# Altium PCB board.PcbDoc (part 1 of 2)
Units mil, origin at the board's own origin, x right, y up, seen from the top; angles counter-clockwise.
Board outline 1425.03 x 7725.03 mil, 2 copper layers (Top Layer, Bottom Layer), stack 65.354 mil thick; 141 components, 67 nets, 462 pads, 171 vias.
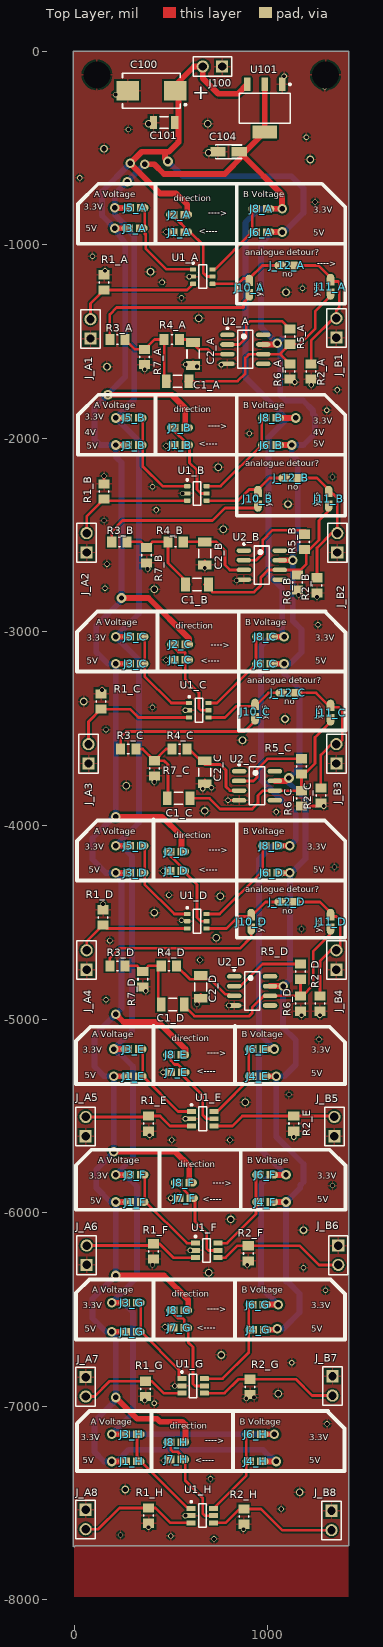
[diagram p0: Top Layer view]
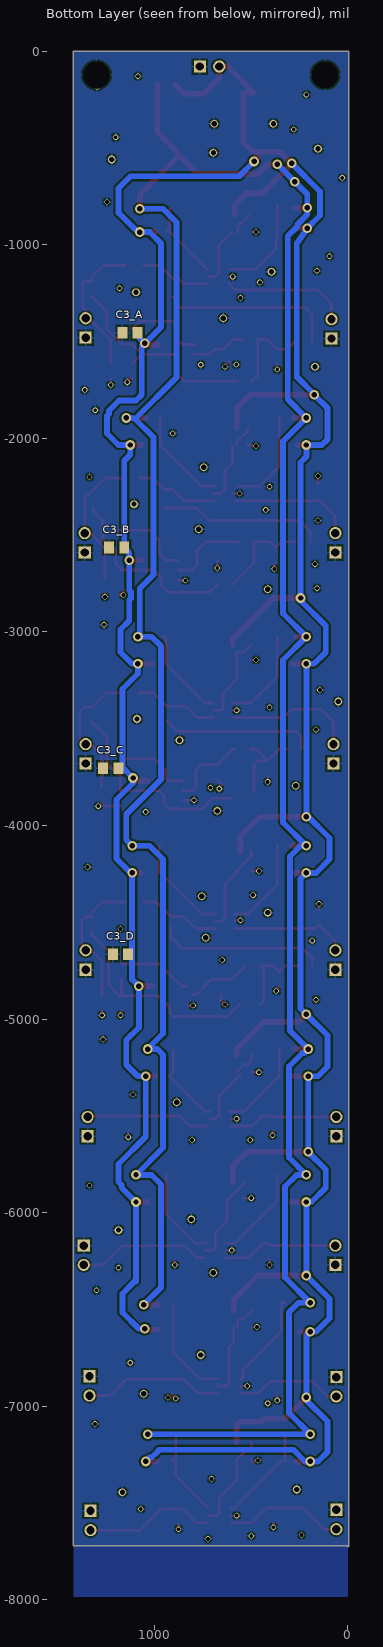
[diagram p1: Bottom Layer view, seen from below]

## Layer stack, top to bottom
Top Solder: solder mask 0.4, Solder Resist, Dk 3.5
Top Layer: signal copper 2.1654
Dielectric1: dielectric 61.0236, FR-4, Dk 4.8
Bottom Layer: signal copper 2.1654
Bottom Solder: solder mask 0.4, Solder Resist, Dk 3.5

## Board outline
-5.01,-7720.02 -5.01,-5.02 cw(c0,-5.02) 0,0 1415,0 cw(c1415,-5.02) 1420.02,-5.02 1420.02,-7715.02 cw(c1415,-7715.02) 1415,-7720.03 5.01,-7720.03 cw(c0,-7720.02)

## Design rules (kind name [scope] priority, off if disabled: settings)
Clearance clearance_polygons [InNamedPolygon('top_gnd_power')or InNamedPolygon('bottom_gnd_power') vs InNamedPolygon('top_gnd_uc')or InNamedPolygon('bottom_gnd_uc')] p1: gap=59.06 ignorepadtopadclearanceinfootprint=FALSE except(0: Arc-Hole Track-Hole SMDPad-Hole THPad-Hole Via-Hole Fill-Hole Poly-Hole Region-Hole Text-Hole)
Clearance ClearanceRoom [WithinRoom('less')  or WithinRoom('less1') or WithinRoom('less2') or WithinRoom('less3') or WithinRoom('less4')] p2: gap=8 ignorepadtopadclearanceinfootprint=FALSE except(0: Arc-Hole Track-Hole SMDPad-Hole THPad-Hole Via-Hole Fill-Hole Poly-Hole Region-Hole Text-Hole)
Clearance clearance_HP_class [InNetClass('high_power_net')] p3: gap=15 ignorepadtopadclearanceinfootprint=FALSE except(0: Arc-Hole Track-Hole SMDPad-Hole THPad-Hole Via-Hole Fill-Hole Poly-Hole Region-Hole Text-Hole)
Clearance "clearance_24V class" [InNetClass('24V_net')] p4: gap=10 ignorepadtopadclearanceinfootprint=FALSE except(0: Arc-Hole Track-Hole SMDPad-Hole THPad-Hole Via-Hole Fill-Hole Poly-Hole Region-Hole Text-Hole)
Clearance Clearance_1 [All] p5: gap=8 ignorepadtopadclearanceinfootprint=FALSE except(0: Arc-Hole Track-Hole SMDPad-Hole THPad-Hole Via-Hole Fill-Hole Poly-Hole Region-Hole Text-Hole)
FabricationTestPointUsage TestPointUsage [All] p1: valid=0 allowmultiple=FALSE
FabricationTestpoint Testpoint [All] p1: side=3 testpointundercomponent=TRUE minsize=40 maxsize=100 preferedsize=60 minholesize=0 maxholesize=40 preferedholesize=32 testpointgrid=1 allowsidetop=TRUE allowsidebottom=TRUE usegrid=TRUE gridtolerance=0.01
HoleSize [All] p1: absolutevalues=TRUE maxlimit=236.22 minlimit=1 maxpercent=80.000 minpercent=20.000
PolygonConnect PolygonConnect_Power [(InNet('+5V') OR InNet('-24VBUS'))] p1: connectstyle=Relief reliefconductorwidth=100 reliefentries=4 polygonreliefangle="90 Angle" airgapwidth=10
PolygonConnect [All] p2: connectstyle=Relief reliefconductorwidth=10 reliefentries=4 polygonreliefangle="90 Angle" airgapwidth=10
RoutingVias [All] p1: holewidth=28 width=50 viastyle="Through Hole" minholewidth=28 minwidth=50 maxholewidth=28 maxwidth=50
SilkToSolderMaskClearance SilkscreenOverComponentPads [IsPad] p1: minsilkscreentomaskgap=10 clearancetoexposedcopper=TRUE
SolderMaskExpansion [All] p1: expansion=4
Width WidthRoom [WithinRoom('less')  or WithinRoom('less1') or WithinRoom('less2') or WithinRoom('less3') or WithinRoom('less4')] p1: maxlimit=14 minlimit=14 preferedwidth=14
Width Width_HC_class [InNetClass('High_Current_net')] p2: maxlimit=600 minlimit=60 preferedwidth=60
Width Width_HP_class [InNetClass('High_Power_net')] p3: maxlimit=40 minlimit=40 preferedwidth=40
Width "Width_24V class" [InNetClass('24V_net')] p4: maxlimit=30 minlimit=30 preferedwidth=30
Width Width_1 [All] p5: maxlimit=14 minlimit=14 preferedwidth=14
26 further rules are at their usual default settings.

## Classes and differential pairs
component class H: J1_H J3_H J4_H J6_H J7_H J8_H R1_H R2_H U1_H
component class D: C1_D C2_D C3_D J1_D J2_D J3_D J5_D J6_D J8_D J10_D J11_D J_12_D R1_D R2_D R3_D R4_D R5_D R6_D R7_D U1_D U2_D
component class C: C1_C C2_C C3_C J1_C J2_C J3_C J5_C J6_C J8_C J10_C J11_C J_12_C R1_C R2_C R3_C R4_C R5_C R6_C R7_C U1_C U2_C
component class B: C1_B C2_B C3_B J1_B J2_B J3_B J5_B J6_B J8_B J10_B J11_B J_12_B R1_B R2_B R3_B R4_B R5_B R6_B R7_B U1_B U2_B
component class A: C1_A C2_A C3_A J1_A J2_A J3_A J5_A J6_A J8_A J10_A J11_A J_12_A R1_A R2_A R3_A R4_A R5_A R6_A R7_A U1_A U2_A
channel class Sheet1: Designator Designator2
net class 24V_net: +3,3V +5V
component class sheetPower: C100 C101 C104 J100 U101
component class sheet_top: J_A1 J_A2 J_A3 J_A4 J_A5 J_A6 J_A7 J_A8 J_B1 J_B2 J_B3 J_B4 J_B5 J_B6 J_B7 J_B8
component class E: J1_E J3_E J4_E J6_E J7_E J8_E R1_E R2_E U1_E
component class F: J1_F J3_F J4_F J6_F J7_F J8_F R1_F R2_F U1_F
component class G: J1_G J3_G J4_G J6_G J7_G J8_G R1_G R2_G U1_G
channel class Sheet2: E F G

## Components (designator, comment, footprint, x,y, rotation, side; value= is the part's Value field where it differs from the comment)
C1_A "2.25uF" CAPC1206(3216)190_N 535,-1705.02 r0 top (schematic designator C1)
C1_B "2.25uF" CAPC1206(3216)190_N 635,-2755.02 r0 top (schematic designator C1)
C1_C "2.25uF" CAPC1206(3216)190_N 540,-3860 r0 top (schematic designator C1)
C1_D "2.25uF" CAPC1206(3216)190_N 510,-4925 r0 top (schematic designator C1)
C2_A "1.13uF" CAPC1206(3216)190_N 615,-1565.02 r90 top (schematic designator C2)
C2_B "1.13uF" CAPC1206(3216)190_N 675,-2595.02 r90 top (schematic designator C2)
C2_C "1.13uF" CAPC1206(3216)190_N 675,-3725.02 r90 top (schematic designator C2)
C2_D "1.13uF" CAPC1206(3216)190_N 655,-4833.76 r90 top (schematic designator C2)
C3_A "100nF" CAPC2013X88X50ML20T25 1125.63,-1455.02 r180 bottom (schematic designator C3)
C3_B "100nF" CAPC2013X88X50ML20T25 1195,-2565.02 r180 bottom (schematic designator C3)
C3_C "100nF" CAPC2013X88X50ML20T25 1225,-3705.02 r180 bottom (schematic designator C3)
C3_D "100nF" CAPC2013X88X50ML20T25 1175,-4665.02 r180 bottom (schematic designator C3)
C100 "10 µF" KEMT-520-D_Low 400,-205.02 r180 top
C101 "100uF" CAPC1206(3216)190_L 465.63,-370.02 r0 top
C104 "4,7 µF" "A Package" 853.31,-520.02 r180 top
J1_A "normal solderbridge" PCBComponent 590,-935.02 r270 top (schematic designator J1)
J1_B "normal solderbridge" PCBComponent 595,-2035.02 r270 top (schematic designator J1)
J1_C "normal solderbridge" PCBComponent 595,-3145.02 r270 top (schematic designator J1)
J1_D "normal solderbridge" PCBComponent 575,-4235.02 r270 top (schematic designator J1)
J1_E "normal solderbridge" PCBComponent 355,-5295.02 r270 top (schematic designator J1)
J1_F "normal solderbridge" PCBComponent 365,-5945.02 r270 top (schematic designator J1)
J1_G "normal solderbridge" PCBComponent 345,-6615.02 r270 top (schematic designator J1)
J1_H "normal solderbridge" PCBComponent 345,-7285.02 r270 top (schematic designator J1)
J2_A "normal solderbridge" PCBComponent 590,-845.02 r270 top (schematic designator J2)
J2_B "normal solderbridge" PCBComponent 594.37,-1945.02 r270 top (schematic designator J2)
J2_C "normal solderbridge" PCBComponent 595,-3065.02 r270 top (schematic designator J2)
J2_D "normal solderbridge" PCBComponent 575,-4135.02 r270 top (schematic designator J2)
J3_A "normal solderbridge" PCBComponent 360,-915.02 r270 top (schematic designator J3)
J3_B "normal solderbridge" PCBComponent 355,-2035.02 r270 top (schematic designator J3)
J3_C "normal solderbridge" PCBComponent 365,-3165.02 r270 top (schematic designator J3)
J3_D "normal solderbridge" PCBComponent 365,-4245.02 r270 top (schematic designator J3)
J3_E "normal solderbridge" PCBComponent 355,-5155.02 r270 top (schematic designator J3)
J3_F "normal solderbridge" PCBComponent 365,-5805.02 r270 top (schematic designator J3)
J3_G "normal solderbridge" PCBComponent 345,-6465.02 r270 top (schematic designator J3)
J3_H "normal solderbridge" PCBComponent 345,-7145.02 r270 top (schematic designator J3)
J4_E "normal solderbridge" PCBComponent 902.52,-5295.02 r90 top (schematic designator J4)
J4_F "normal solderbridge" PCBComponent 940,-5945.02 r90 top (schematic designator J4)
J4_G "normal solderbridge" PCBComponent 905,-6605.02 r90 top (schematic designator J4)
J4_H "normal solderbridge" PCBComponent 890,-7285.02 r90 top (schematic designator J4)
J5_A "normal solderbridge" PCBComponent 365,-810.02 r270 top (schematic designator J5)
J5_B "normal solderbridge" PCBComponent 355,-1895.02 r270 top (schematic designator J5)
J5_C "normal solderbridge" PCBComponent 365,-3025.02 r270 top (schematic designator J5)
J5_D "normal solderbridge" PCBComponent 365,-4105.02 r270 top (schematic designator J5)
J6_A "normal solderbridge" PCBComponent 920,-935.02 r90 top (schematic designator J6)
J6_B "normal solderbridge" PCBComponent 970,-2035.02 r90 top (schematic designator J6)
J6_C "normal solderbridge" PCBComponent 940,-3165.02 r90 top (schematic designator J6)
J6_D "normal solderbridge" PCBComponent 975,-4245.02 r90 top (schematic designator J6)
J6_E "normal solderbridge" PCBComponent 902.52,-5155.02 r90 top (schematic designator J6)
J6_F "normal solderbridge" PCBComponent 940,-5805.02 r90 top (schematic designator J6)
J6_G "normal solderbridge" PCBComponent 902.52,-6475.02 r90 top (schematic designator J6)
J6_H "normal solderbridge" PCBComponent 890,-7145.02 r90 top (schematic designator J6)
J7_E "normal solderbridge" PCBComponent 576.93,-5275.02 r270 top (schematic designator J7)
J7_F "normal solderbridge" PCBComponent 620,-5925.02 r270 top (schematic designator J7)
J7_G "normal solderbridge" PCBComponent 590,-6595.02 r270 top (schematic designator J7)
J7_H "normal solderbridge" PCBComponent 575,-7275.02 r270 top (schematic designator J7)
J8_A "normal solderbridge" PCBComponent 920,-815.02 r90 top (schematic designator J8)
J8_B "normal solderbridge" PCBComponent 970,-1895.02 r90 top (schematic designator J8)
J8_C "normal solderbridge" PCBComponent 940,-3025.02 r90 top (schematic designator J8)
J8_D "normal solderbridge" PCBComponent 970,-4105.02 r90 top (schematic designator J8)
J8_E "normal solderbridge" PCBComponent 575,-5185.02 r270 top (schematic designator J8)
J8_F "normal solderbridge" PCBComponent 615,-5845.02 r270 top (schematic designator J8)
J8_G "normal solderbridge" PCBComponent 590,-6505.02 r270 top (schematic designator J8)
J8_H "normal solderbridge" PCBComponent 575,-7185.02 r270 top (schematic designator J8)
J10_A "normal solderbridge" PCBComponent 905,-1270.02 r180 top (schematic designator J10)
J10_B "normal solderbridge" PCBComponent 950,-2360.02 r180 top (schematic designator J10)
J10_C "normal solderbridge" PCBComponent 935,-3460.02 r180 top (schematic designator J10)
J10_D "normal solderbridge" PCBComponent 915,-4545.02 r180 top (schematic designator J10)
J11_A "normal solderbridge" PCBComponent 1325,-1265.02 r180 top (schematic designator J11)
J11_B "normal solderbridge" PCBComponent 1315,-2360.02 r180 top (schematic designator J11)
J11_C "normal solderbridge" PCBComponent 1325,-3465.02 r180 top (schematic designator J11)
J11_D "normal solderbridge" PCBComponent 1325,-4545.02 r180 top (schematic designator J11)
J100 "61300211121" 61300211121 765,-80.02 r180 top
J_12_A "normal solderbridge" PCBComponent 1150,-1107.61 r270 top (schematic designator J_12)
J_12_B "normal solderbridge" PCBComponent 1170,-2205.02 r270 top (schematic designator J_12)
J_12_C "normal solderbridge" PCBComponent 1155,-3315.02 r270 top (schematic designator J_12)
J_12_D "normal solderbridge" PCBComponent 1150,-4395.02 r270 top (schematic designator J_12)
J_A1 "61300211121" 61300211121 85,-1485.02 r90 top
J_A2 "61300211121" 61300211121 65,-2590.02 r90 top
J_A3 "61300211121" 61300211121 75,-3680.02 r90 top
J_A4 "61300211121" 61300211121 65,-4745.02 r90 top
J_A5 "61300211121" 61300211121 60,-5605.64 r90 top
J_A6 "61300211121" 61300211121 65,-6270.02 r90 top
J_A7 "61300211121" 61300211121 60,-6849.39 r270 top
J_A8 "61300211121" 61300211121 60,-7535.02 r270 top
J_B1 "61300211121" 61300211121 1355,-1480.02 r90 top
J_B2 "61300211121" 61300211121 1360,-2590.02 r90 top
J_B3 "61300211121" 61300211121 1355,-3680.02 r90 top
J_B4 "61300211121" 61300211121 1355,-4745.02 r90 top
J_B5 "61300211121" 61300211121 1345,-5605.64 r90 top
J_B6 "61300211121" 61300211121 1365,-6170.02 r270 top
J_B7 "61300211121" 61300211121 1335,-6845.02 r270 top
J_B8 "61300211121" 61300211121 1330,-7540.02 r270 top
R1_A "10k" YAGO-RC0805_M 155,-1195.02 r270 top (schematic designator R1)
R1_B "10k" YAGO-RC0805_M 155,-2275.02 r270 top (schematic designator R1)
R1_C "10k" YAGO-RC0805_M 140,-3360.02 r270 top (schematic designator R1)
R1_D "10k" YAGO-RC0805_M 150,-4475.02 r270 top (schematic designator R1)
R1_E "10k" YAGO-RC0805_M 385,-5540.02 r90 top (schematic designator R1)
R1_F "10k" YAGO-RC0805_M 410,-6200.02 r90 top (schematic designator R1)
R1_G "10k" YAGO-RC0805_M 370,-6910.02 r90 top (schematic designator R1)
R1_H "10k" YAGO-RC0805_M 385,-7565.02 r90 top (schematic designator R1)
R2_A "10k" YAGO-RC0805_M 1225,-1655.02 r90 top (schematic designator R2)
R2_B "10k" YAGO-RC0805_M 1255,-2760.02 r90 top (schematic designator R2)
R2_C "10k" YAGO-RC0805_M 1275,-3845.02 r90 top (schematic designator R2)
R2_D "10k" YAGO-RC0805_M 1270,-4920.02 r90 top (schematic designator R2)
R2_E "10k" YAGO-RC0805_M 1135,-5540.02 r90 top (schematic designator R2)
R2_F "10k" YAGO-RC0805_M 900,-6210.02 r90 top (schematic designator R2)
R2_G "10k" YAGO-RC0805_M 910,-6900.02 r90 top (schematic designator R2)
R2_H "10k" YAGO-RC0805_M 877.48,-7570.02 r90 top (schematic designator R2)
R3_A "10k" YAGO-RC0805_M 224.37,-1490.02 r180 top (schematic designator R3)
R3_B "10k" YAGO-RC0805_M 234.37,-2535.02 r180 top (schematic designator R3)
R3_C "10k" YAGO-RC0805_M 280,-3605.02 r180 top (schematic designator R3)
R3_D "10k" YAGO-RC0805_M 224.37,-4725.02 r180 top (schematic designator R3)
R4_A "10k" YAGO-RC0805_M 505,-1490.02 r180 top (schematic designator R4)
R4_B "10k" YAGO-RC0805_M 525,-2535.02 r180 top (schematic designator R4)
R4_C "10k" YAGO-RC0805_M 545,-3605.02 r180 top (schematic designator R4)
R4_D "10k" YAGO-RC0805_M 490,-4725.02 r180 top (schematic designator R4)
R5_A "closed" YAGO-RC0805_M 1115,-1475.02 r270 top (schematic designator R5)
R5_B "closed" YAGO-RC0805_M 1190,-2535.02 r270 top (schematic designator R5)
R5_C "closed" YAGO-RC0805_M 1175,-3695.02 r270 top (schematic designator R5)
R5_D "closed" YAGO-RC0805_M 1170,-4755.02 r270 top (schematic designator R5)
R6_A "open" YAGO-RC0805_M 1115,-1655.02 r270 top (schematic designator R6)
R6_B "open" YAGO-RC0805_M 1155,-2745.02 r270 top (schematic designator R6)
R6_C "open" YAGO-RC0805_M 1175,-3860.02 r270 top (schematic designator R6)
R6_D "open" YAGO-RC0805_M 1170,-4920.02 r270 top (schematic designator R6)
R7_A "open" YAGO-RC0805_M 365,-1580.02 r270 top (schematic designator R7)
R7_B "open" YAGO-RC0805_M 375,-2604.39 r270 top (schematic designator R7)
R7_C "open" YAGO-RC0805_M 415,-3705.02 r270 top (schematic designator R7)
R7_D "open" YAGO-RC0805_M 355,-4794.39 r270 top (schematic designator R7)
U1_A "SN74LVC1T45DBVT" DBV0006A_L 665,-1165.02 r0 top (schematic designator U1)
U1_B "SN74LVC1T45DBVT" DBV0006A_L 635,-2285.02 r0 top (schematic designator U1)
U1_C "SN74LVC1T45DBVT" DBV0006A_L 645,-3405.02 r0 top (schematic designator U1)
U1_D "SN74LVC1T45DBVT" DBV0006A_L 635,-4495.02 r0 top (schematic designator U1)
U1_E "SN74LVC1T45DBVT" DBV0006A_M 665,-5515.02 r0 top (schematic designator U1)
U1_F "SN74LVC1T45DBVT" DBV0006A_M 685,-6195.02 r0 top (schematic designator U1)
U1_G "SN74LVC1T45DBVT" DBV0006A_M 615,-6895.02 r0 top (schematic designator U1)
U1_H "SN74LVC1T45DBVT" DBV0006A_M 663.07,-7565.02 r0 top (schematic designator U1)
U2_A "AD8029ARZ" ADI-R-8_L 885,-1540.64 r0 top (schematic designator U2)
U2_B "AD8029ARZ" ADI-R-8_L 970,-2655.02 r0 top (schematic designator U2)
U2_C "AD8029ARZ" ADI-R-8_L 945,-3795.02 r0 top (schematic designator U2)
U2_D "AD8029ARZ" ADI-R-8_L 920,-4855.02 r0 top (schematic designator U2)
U101 "LM1117IMP-3.3/NOPB" DCY0004A_N 985,-295.02 r270 top

## Footprints (in the part's own frame and the unit in brackets; to place one, negate y for a bottom-side part, rotate by r counter-clockwise, add the part's x,y. Pads: shape width x height; smd on the part's side, far side on the other; paste and mask are expansions set on the pad)
61300211121 [mm] "2Pol; gerade; WR-PHD 2.54 mm THT Pin Header"
  rect 1.6x1.6 hole 1.1: 1(0,0)
  round 1.6 hole 1.1: 2(2.54,0)
  silkscreen extent -1.27,-1.27 3.81,1.27, body extent -1.27,-1.27 3.81,1.27, height 8.57
"A Package" [mm] "A Package; Low Density"
  rect 2x1.2 smd: 1(0,0) 2(2.8,0)
  silkscreen extent -0.3,-0.9 3.1,0.9
ADI-R-8_L [mm] "SOIC, 8-Leads, Body 4.9x3.9mm, Pitch 1.27mm, IPC High Density"
  oval 1.9x0.6 smd: 1(-2.35,1.905) 2(-2.35,0.635) 3(-2.35,-0.635) 4(-2.35,-1.905) 5(2.35,-1.905) 6(2.35,-0.635) 7(2.35,0.635) 8(2.35,1.905)
  silkscreen extent -2.47,-2.5 1,2.88, body extent -2,-2.5 2,2.5, height 1.75
CAPC1206(3216)190_L [mm] "Chip Capacitor, Body 3.2x1.6mm, Height 1.9mm, IPC High Density"
  rect 0.95x1.7 smd: 1(-1.4,0) 2(1.4,0)
  silkscreen extent -0.55,-0.75 0.55,0.75, body extent -1.7,-0.9 1.7,0.9, height 1.9
CAPC1206(3216)190_N [mm] "Chip Capacitor, Body 3.2x1.6mm, Height 1.9mm, IPC Medium Density"
  rect 1.15x1.8 smd: 1(-1.5,0) 2(1.5,0)
  silkscreen extent -0.55,-0.8 0.55,0.8, body extent -1.7,-0.9 1.7,0.9, height 1.9
CAPC2013X88X50ML20T25 [mm] "Chip Capacitor, 2-Leads, Body 2.00x1.25mm, IPC Low Density"
  rect 1.3x1.55 smd: 1(-1,0) 2(1,0)
  body extent -1.1,-0.72 1.1,0.72, height 0.88
DBV0006A_L [mm] "SOT23, 6-Leads, Body 3.05x1.75mm, Pitch 0.95mm, IPC High Density"
  rrect18% 0.8x0.55 smd: 1(-1.275,0.95) 2(-1.275,0) 3(-1.275,-0.95) 4(1.275,-0.95) 5(1.275,0) 6(1.275,0.95)
  silkscreen extent -1.4,-1.55 0.5,1.9, body extent -1.42,-1.46 1.42,1.46, height 1.11
DBV0006A_M [mm] "SOT23, 6-Leads, Body 3.05x1.75mm, Pitch 0.95mm, IPC Low Density"
  rrect15% 1.2x0.65 smd: 1(-1.475,0.95) 2(-1.475,0) 3(-1.475,-0.95) 4(1.475,-0.95) 5(1.475,0) 6(1.475,0.95)
  silkscreen extent -1.6,-1.55 0.5,1.95, body extent -1.42,-1.46 1.42,1.46, height 1.11
DCY0004A_N [mm] "SOT223, 4-Leads, Body 6.7x3.7mm, Pitch 2.3mm, IPC Medium Density"
  rrect11% 1.75x0.9 smd: 1(-3.125,2.3) 2(-3.125,0) 3(-3.125,-2.3)
  rrect6% 1.75x3.2 smd: 4(3.125,0)
  silkscreen extent -3.25,-3.35 1.95,3.43, body extent -3.5,-3.25 3.5,3.25, height 1.62
KEMT-520-D_Low [mm] "Molded Capacitor, 2-Leads, Body 7.6x4.6mm, IPC Low Density"
  rect 2.95x2.55 smd: 1(-3.125,0) 2(3.125,0)
  silkscreen extent -4.58,-2.3 3.8,2.3, body extent -4.02,-2.3 4.02,2.3, height 3.1
PCBComponent [mm]
  round 1 smd paste+0: 1(0,0) 2(0,-2.413)
  rect 1x1 smd paste+0: 1(0,-0.508) 2(0,-1.905)
YAGO-RC0805_M [mm] "Chip Resistor, 2-Leads, Body 2.00x1.25mm, IPC Low Density"
  rect 1.2x1.45 smd: 1(-1,0) 2(1,0)
  silkscreen extent -0.1,-0.63 0.1,0.63, body extent -1,-0.62 1,0.63, height 0.6

## Part data
C1_A C1_B C1_C C1_D C2_A C2_B C2_C C2_D: library part CMP-001-0138-A.1, "CAP CER 1UF 10V X7R 1206", Manufacturer="Wurth Electronics Inc.", Manufacturer Part Number=885012208013, Operating Temperature="-55°C ~ 125°C", Package / Case="1206 (3216 Metric)", Ratings=-, Supplier Part Number=732-7685-1-ND, Temperature Coefficient=X7R, Tolerance=±10%, Voltage - Rated=10V, Applications="General Purpose", ComponentLink1Description=885012208013.pdf, ComponentLink1URL=http://katalog.we-online.de/pbs/datasheet/885012208013.pdf, Features=-, Height - Seated (Max)=-, Lead Spacing=-, Lead Style=-, Mounting Type="Surface Mount, MLCC", Notification="Current market demand for these product types have resulted in fluctuating and extending lead times. Lead times may differ.", Packaging="Cut Tape (CT)", Part Status=Active, Size / Dimension="0.126\" L x 0.063\" W (3.20mm x 1.60mm)", Supplier=Digi-Key, Thickness (Max)="0.051\" (1.30mm)"
C3_A C3_B C3_C C3_D: library part CMP-001-0082-2, "generic 0805 COG oder X7R Vielschichtkondensatoren max. +/-10%"
C100: library part CMP-001-0033-3, "10 µF, 35V, 125 mOhm, Gr. D / partnumb: T495D106K035ATE125", Capacitance=10µF, ESR (Equivalent Series Resistance)="125 mOhm", Lifetime @ Temp.="2000 Hrs @ 85°C", Manufacturer=KEMET, Manufacturer Size Code=D, Operating Temperature="-55°C ~ 125°C", Package / Case="2917 (7343 Metric)", PartNumber=T495D106K035ATE125, Supplier Part Number=399-10292-1-ND, Tolerance=±10%, Voltage - Rated=35V, ComponentLink1Description=docfinder?Partnumber=T495D106K035ATE300, ComponentLink1URL=http://www.kemet.com/docfinder?Partnumber=T495D106K035ATE300, Failure Rate=-, Features="General Purpose", Height - Seated (Max)="0.122\" (3.10mm)", Lead Spacing=-, Mounting Type="Surface Mount", Packaging="Cut Tape (CT)", Part Status=Active, Size / Dimension="0.287\" L x 0.169\" W (7.30mm x 4.30mm)", Supplier=Digi-Key, Type=Molded
C101: library part CMP-00469-2, "CAP 100uF 6.3V ±20% 1206 (3216 Metric) Thickness 1.9mm SMD", Case-EIA=1206, Case-Metric=3216, Manufacturer="WURTH ELEKTRONIK", Manufacturer Part Number=885012108005, Rated Voltage="6.3 V", Supplier Part Number=2495155, Tolerance=±20%, ComponentLink1Description=2326302.pdf, ComponentLink1URL=http://www.farnell.com/cad/2326302.pdf, ComponentLink2Description=1958456.pdf, ComponentLink2URL=http://www.farnell.com/datasheets/1958456.pdf, Max Thickness="1.9 mm", PartNumber=885012108005, Supplier=Farnell, Technology=SMT
C104: library part CMP-001-0039-3, "4,7 µF; 6V; Gr. A; T491A475K006AT", Capacitance=4.7µF, ESR (Equivalent Series Resistance)="6 Ohm", Lifetime @ Temp.="2000 Hrs @ 85°C", Manufacturer=KEMET, Manufacturer Size Code=A, Operating Temperature="-55°C ~ 125°C", Package / Case="1206 (3216 Metric)", PartNumber=T491A475K006AT, Supplier Part Number=399-9717-1-ND, Tolerance=±10%, Voltage - Rated=6.3V, ComponentLink1Description=KEM_T2005_T491.pdf, ComponentLink1URL=http://www.kemet.com/Lists/ProductCatalog/Attachments/254/KEM_T2005_T491.pdf, Failure Rate=-, Features="General Purpose", Height - Seated (Max)="0.071\" (1.80mm)", Lead Spacing=-, Mounting Type="Surface Mount", Packaging="Cut Tape (CT)", Part Status=Active, Size / Dimension="0.126\" L x 0.063\" W (3.20mm x 1.60mm)", Supplier=Digi-Key, Type=Molded
J1_A J1_B J1_C J1_D J1_E J1_F J1_G J1_H J2_A J2_B J2_C J2_D J3_A J3_B J3_C J3_D J3_E J3_F J3_G J3_H J4_E J4_F J4_G J4_H J5_A J5_B J5_C J5_D J6_A J6_B J6_C J6_D J6_E J6_F J6_G J6_H J7_E J7_F J7_G J7_H J8_A J8_B J8_C J8_D J8_E J8_F J8_G J8_H J10_A J10_B J10_C J10_D J11_A J11_B J11_C J11_D J_12_A J_12_B J_12_C J_12_D: library part CMP-001-0133-A.1
J100 J_A1 J_A2 J_A3 J_A4 J_A5 J_A6 J_A7 J_A8 J_B1 J_B2 J_B3 J_B4 J_B5 J_B6 J_B7 J_B8: library part CMP-001-0071-1, "2Pol; gerade; WR-PHD 2.54 mm THT Pin Header", Current Rating="3 A", Flammability Rating="UL 94 V-0", Insulation Resistance="1 GOhms", Manufacturer="Wurth Electronics", Supplier Part Number=710-61300211121, Voltage Rating="250 V", Accessory Type=-, Application="Wire to Board", Brand="Wurth Electronics", ComponentLink1Description=6130xx11121-538006.pdf, ComponentLink1URL=http://www.mouser.com/ds/2/445/6130xx11121-538006.pdf, Contact Gender="Pin (Male)", Contact Material="Copper Alloy", Contact Plating=Gold, Contact Type=-, Housing Gender=-, Housing Material="Polybutylene Terephthalate (PBT)", Latching Type=Unlatched, Manufacturer Part Number=61300211121, Mating Post Length="6 mm", Minimum Order Quantity=1, Mounting Angle=Straight, Mounting Style="Straight Pin", Number of Positions="2 Position", Number of Rows="1 Row", Packaging=Bulk, PartNumber=61300211121, Pitch="2.54 mm", Product=Headers, Reeling=False, RoHS - Mouser=Y, Row Spacing=-, Series=WR-PHD, Standard Pack Qty=1000, Supplier=Mouser, Termination Post Length="3 mm", Termination Style="Through Hole", Type="Pin Strip"
R1_A R1_B R1_C R1_D R1_E R1_F R1_G R1_H R2_A R2_B R2_C R2_D R2_E R2_F R2_G R2_H R3_A R3_B R3_C R3_D R4_A R4_B R4_C R4_D R5_A R5_B R5_C R5_D R6_A R6_B R6_C R6_D R7_A R7_B R7_C R7_D: library part CMP-001-0027-2, "0805 Yageo Standard BlackBox Resistors", Manufacturer=Yageo, Operating Temperature="-55°C ~ 155°C", Package / Case="0805 (2012 Metric)", Power (Watts)="0.125W, 1/8W", Supplier Device Package=0805, Temperature Coefficient=±200ppm/°C, Tolerance=±1%, ComponentLink1Description=PYu-RC_Group_51_RoHS_L_7.pdf, ComponentLink1URL=http://www.yageo.com/documents/recent/PYu-RC_Group_51_RoHS_L_7.pdf, Composition="Thick Film", Failure Rate=-, Features="Moisture Resistant", Height - Seated (Max)="0.024\" (0.60mm)", Packaging=Digi-Reel®, Part Status=Active, Size / Dimension="0.079\" L x 0.049\" W (2.00mm x 1.25mm)"
U1_A U1_B U1_C U1_D: library part CMP-00492-1, "Single-Bit Dual-Supply Bus Transceiver with Configurable Voltage Translation and 3-State Outputs, DBV0006A, SMALL T&R", F @ Nom Voltage(Max)(Mhz)=150, Generic Part Number=SN74LVC1T45, ICC @ Nom Voltage(Max)(mA)=0.004, Manufacturer="Texas Instruments", Operating Temperature Range(C)="-40 to 85", Rating=Catalog, tpd @ Nom Voltage(Max)(ns)=15.5,8,5.8,4.4, Voltage(Nom)(V)=1.8,2.5,3.3,5, 3-State Output=Yes, Bits(#)=1, DatasheetVersion=SCES515K, Input Type=CMOS/TTL, Logic=True, Output Drive (IOL/IOH)(Max)(mA)=32/-32, Output Type=CMOS, PackageReference=DBV0006A, Schmitt Trigger=No, Sub-Family="Dual Supply Translator", Technology Family=LVC, VCC(Max)(V)=5.5, VCC(Min)(V)=1.65
U1_E U1_F U1_G U1_H: library part CMP-00491-1, "Single-Bit Dual-Supply Bus Transceiver with Configurable Voltage Translation and 3-State Outputs, DBV0006A, SMALL T&R", F @ Nom Voltage(Max)(Mhz)=150, Generic Part Number=SN74LVC1T45, ICC @ Nom Voltage(Max)(mA)=0.004, Manufacturer="Texas Instruments", Operating Temperature Range(C)="-40 to 85", Rating=Catalog, tpd @ Nom Voltage(Max)(ns)=15.5,8,5.8,4.4, Voltage(Nom)(V)=1.8,2.5,3.3,5, 3-State Output=Yes, Bits(#)=1, DatasheetVersion=SCES515K, Input Type=CMOS/TTL, Logic=True, Output Drive (IOL/IOH)(Max)(mA)=32/-32, Output Type=CMOS, PackageReference=DBV0006A, Schmitt Trigger=No, Sub-Family="Dual Supply Translator", Technology Family=LVC, VCC(Max)(V)=5.5, VCC(Min)(V)=1.65
U2_A U2_B U2_C U2_D: library part CMP-00480-1, "Single Channel RRIO Operational Amplifier, 125 MHz BW, 62 V/us SR, Industrial, 8-pin SOIC (R-8), Tube", Amplifiers Per Package=1, Generic Part Number=AD8029, Input Bias Current=700nA, Input Offset Voltage=1.6mV, Manufacturer="Analog Devices", Code_JEDEC=MS-012-AA, ComponentLink1Description="Manufacturer URL", ComponentLink1URL=http://www.analog.com/en/index.html, ComponentLink2Description=Datasheet, ComponentLink2URL=http://www.analog.com/static/imported-files/data_sheets/AD8029_8030_8040.pdf, ComponentLink3Description="Package Specification", ComponentLink3URL=http://www.analog.com/static/imported-files/packages/PKG_PDF/SOIC_Narrow%20(R)/R_8.pdf, DatasheetVersion="Rev. B", Iq/Amp=1.5mA, Mounting Technology="Surface Mount", PackageDescription="8-Pin Standard Small Outline Package, Body 3.9 x 4.9 mm, Pitch 1.27 mm", PackageReference=R-8, PackageVersion=060506-A, PartNumber=AD8029ARZ, Slew Rate=62V/us, Small Signal Bandwidth=125MHz, V Span Max=12V, V Span Min=2.7V
U101: library part CMP-00484-1, "800mA Low-Dropout Linear Regulator, 4-pin SOT-223, Pb-Free", Manufacturer="Texas Instruments", PackageTopMarking=XYTT*N05B, PowerWise=N, Code_IPC=SOT223-4, Code_JEDEC=TO-261-AA, ComponentLink1Description="Datasheet URL", ComponentLink1URL=http://www.ti.com/general/docs/lit/getliterature.tsp?genericPartNumber=LM1117-N&fileType=pdf, CompType="LDO IC", High-Reliability=Y, PackageDescription="Molded SOT-223, 6.50 x 3.56 x 1.6mm Body, 4 Lead, 2.3mm Pitch", PackageReference=DCY0004A, PartNumber=LM1117IMP-3.3/NOPB, PinCount=4, RoHS=Y

## Free pads (board coordinates)
  round 130 hole 138 unplated: 0(118.11,-123.13) 0(1299.21,-123.13)

## Via types
v1: diameter 27.56, hole 19.68, Top Layer to Bottom Layer, 95 vias
v2: diameter 50, hole 28, Top Layer to Bottom Layer, 47 vias
v3: diameter 39.37, hole 27.56, Top Layer to Bottom Layer, 29 vias

## Nets (pads, with @x,y where several pads share a name; then routed paths per layer and width w, separated by ;. In a path a pad name is that pad's centre, name@x,y a point inside that pad or via, vN(x,y) a via of type N, cw(c..) or ccw(c..) an arc to the next point about the centre after c; other vN are vias at no path point)
+3,3V: C104.1 J3_E.2 J3_F.2 J3_G.2 J3_H.2 J5_A.2 J5_B.2 J5_C.2 J5_D.2 J6_E.2 J6_F.2 J6_G.2 J6_H.2 J8_A.2 J8_B.2 J8_C.2 J8_D.2 U101.2 U101.4 | length 17183.5
  Top Layer w30: v2(195,-7145.02) J3_H.2@250,-7145.02 J3_H.2@270,-7145.02 ; v2(195,-6465.02) J3_G.2@250,-6465.02 ; v2(205,-5155.02) J3_E.2@260,-5155.02 J3_E.2@280,-5155.02 ; v2(210,-810.02) J5_A.2@270,-810.02 J5_A.2@275,-810.02 ; v2(215,-5805.02) J3_F.2@270,-5805.02 ; v2(215,-4105.02) J5_D.2@270,-4105.02 J5_D.2@290,-4105.02 ; v2(215,-3025.02) J5_C.2@270,-3025.02 ; v2(215,-1895.02) J5_B.2@260,-1895.02 J5_B.2@280,-1895.02 ; v2(364.53,-585.02) 415,-585.02 465,-635.02 778.31,-635.02 873.31,-540.02 1075,-741.71 v2(1075,-815.02) J8_A.2@1015,-815.02 J8_A.2@995,-815.02 ; C104.1@883.03,-520.02 U101.4@985,-418.05 U101.2@985,-171.98 ; J6_H.2@965,-7145.02 J6_H.2@985,-7145.02 v2(1035,-7145.02) ; J6_G.2@977.52,-6475.02 J6_G.2@997.52,-6475.02 v2(1055,-6475.02) ; J6_E.2@997.52,-5155.02 v2(1035,-5155.02) ; J6_F.2@1015,-5805.02 J6_F.2@1035,-5805.02 v2(1095,-5805.02) ; J8_C.2@1015,-3025.02 J8_C.2@1035,-3025.02 v2(1085,-3025.02) ; J8_D.2@1045,-4105.02 J8_D.2@1065,-4105.02 v2(1115,-4105.02) ; J8_B.2@1045,-1895.02 J8_B.2@1065,-1895.02 v2(1145,-1895.02)
  Bottom Layer w30: v2(364.53,-585.02) v2(274.76,-674.78) 210,-739.54 v2(210,-810.02) 210,-844.3 260,-894.3 260,-904.94 310.86,-955.8 310.86,-1799.16 v2(215,-1895.02) 335,-2015.02 335,-2905.02 v2(215,-3025.02) 335,-3145.02 335,-3985.02 v2(215,-4105.02) 245,-4105.02 300,-4160.02 300,-5060.02 v2(205,-5155.02) 225,-5175.02 235,-5175.02 305,-5245.02 305,-5715.02 v2(215,-5805.02) 265,-5805.02 325,-5865.02 325,-6335.02 v2(195,-6465.02) 255,-6465.02 305,-6515.02 305,-7035.02 v2(195,-7145.02) v2(1035,-7145.02) ; v2(1055,-6475.02) 965,-6385.02 965,-5855.02 1015,-5805.02 v2(1095,-5805.02) 955,-5665.02 955,-5185.02 985,-5155.02 v2(1035,-5155.02) 955,-5075.02 955,-4175.02 1025,-4105.02 v2(1115,-4105.02) 1145,-4075.02 1145,-3941.58 965,-3761.58 965,-3075.02 1015,-3025.02 v2@1075.63,-3025.02 ; v2(1075,-815.02) 955,-815.02 885,-885.02 885,-1685.02 1100,-1900.02 1005,-1995.02 1005,-2705.02 1075.63,-2775.64 v2@1075.63,-3025.02 ; v2(1085,-3025.02) v2@1075.63,-3025.02 ; 1115,-1895.02 v2(1145,-1895.02)